# Altium PCB CL-HC-M-V2.2.PcbDoc (part 6 of 18)
Units mil, origin at the board's own origin, x right, y up, seen from the top; angles counter-clockwise.
Board outline 27559.06 x 27559.06 mil, 2 copper layers (TopLayer, BottomLayer); 684 components, 528 nets, 2380 pads, 1851 vias.
Unrouted connection lines stored in the file: 1268.
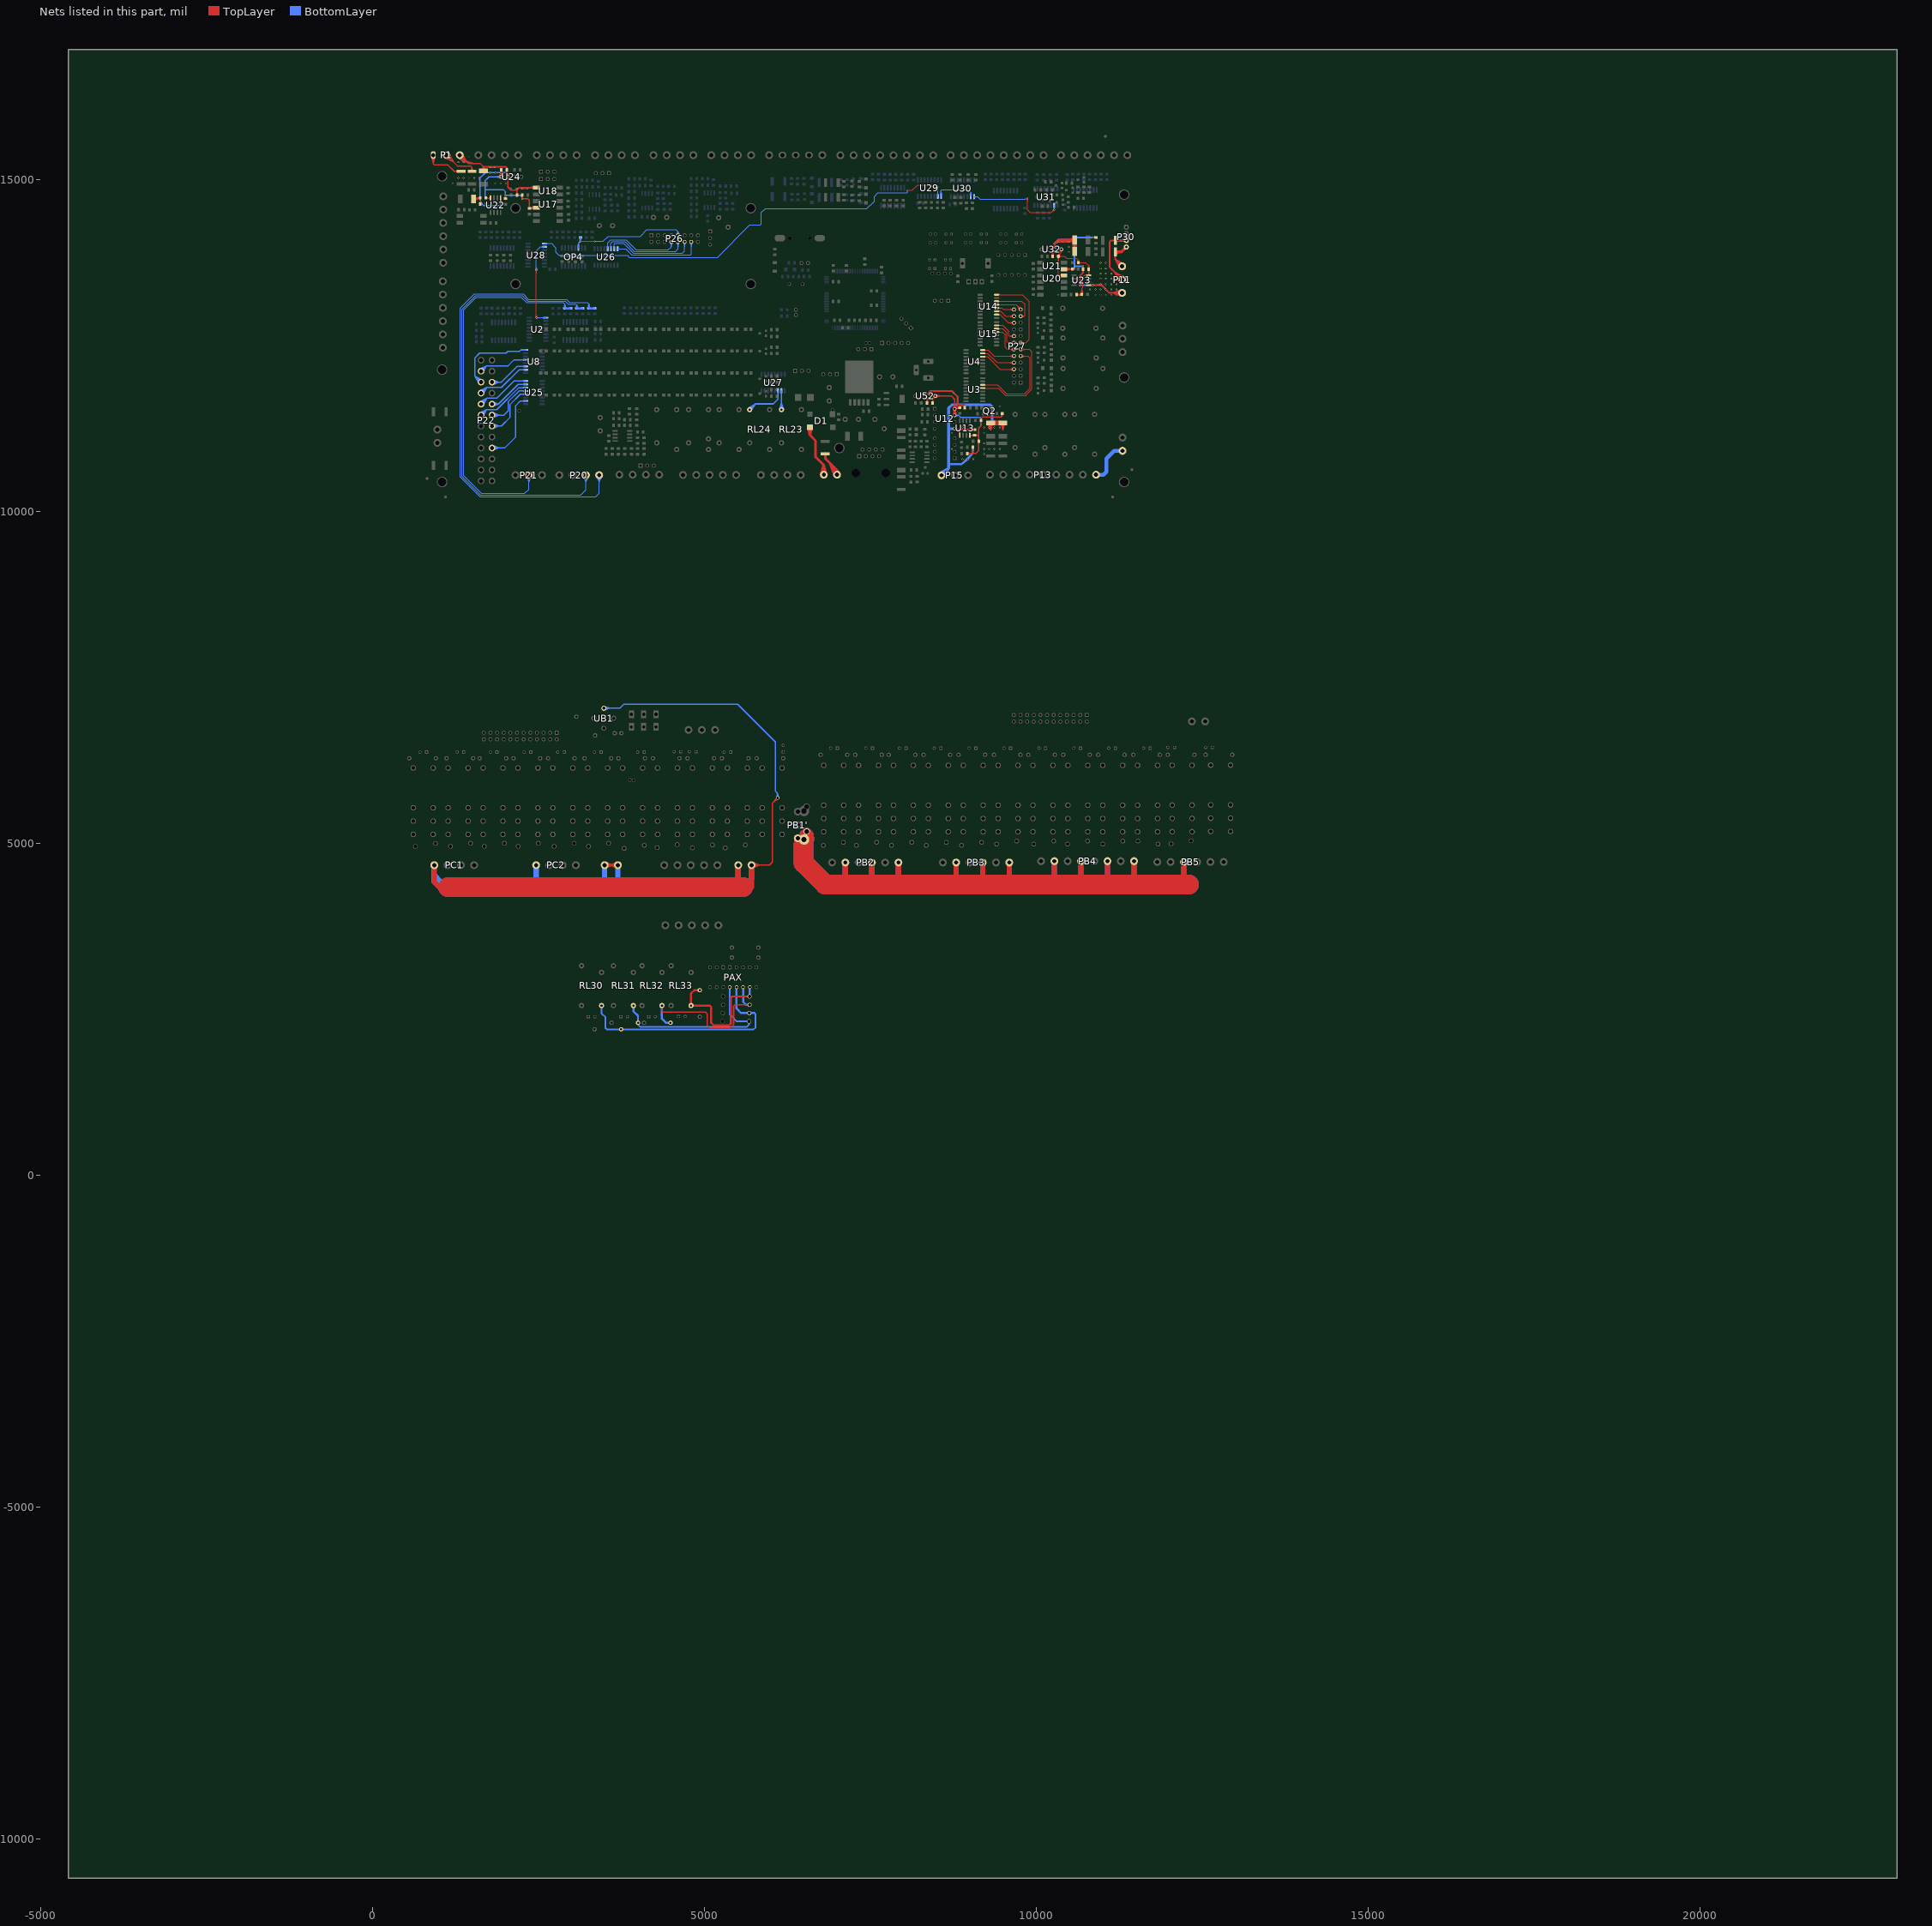
[diagram p6: the nets of this part, all layers, seen from the top]

## Via types
v1: diameter 25, hole 15, TopLayer to BottomLayer, tented both sides, 1813 vias
v2: diameter 20, hole 12, TopLayer to BottomLayer, tented both sides, 24 vias
v3: diameter 25, hole 15, TopLayer to BottomLayer, 13 vias
v4: diameter 40, hole 24, TopLayer to BottomLayer, tented both sides, 1 vias

## Nets (pads, with @x,y where several pads share a name; then routed paths per layer and width w, separated by ;. In a path a pad name is that pad's centre, name@x,y a point inside that pad or via, vN(x,y) a via of type N, cw(c..) or ccw(c..) an arc to the next point about the centre after c; other vN are vias at no path point) (continued)
24V-情报-远启: OP4.6 P26.9 R251.2 | length 2921.9
  TopLayer w10: v1(3132.38,14072.9) v1(3345.23,14072.9) ; v1@3133.04,14065.42 3174.88,14072.9 v1@3133.04,14080.37 ; v1@3344.57,14065.42 3302.73,14072.9 v1@3344.57,14080.37
  BottomLayer w10: OP4.6@3092.83,14001.19 3102.76,14043.28 ; OP4.6@3102.76,13970.04 3102.76,14043.28 ; OP4.6@3102.76,14000.04 3102.76,14043.28 ; OP4.6@3112.69,14001.19 3102.76,14043.28 ; R251.2@3117.54,14126.11 v1@3132.38,14078.36 ; v1@3124.99,14071.58 R251.2@3121.15,14114.51 ; v1@3125.33,14075.47 R251.2@3143.6,14114.51 ; v1@3126.62,14077.7 3102.76,14043.28 ; v1@3137.18,14067.14 3102.76,14043.28 ; v1@3139.42,14075.47 R251.2@3121.15,14114.51 ; v1@3139.76,14071.58 R251.2@3143.6,14114.51 ; R251.2@3147.21,14126.11 v1@3132.38,14078.36 ; 3102.76,14043.28 v1(3132.38,14072.9) ; 3102.76,14043.28 v1(3132.38,14072.9) ; R251.2@3121.15,14114.51 v1(3132.38,14072.9) ; v1(3132.38,14072.9) R251.2@3132.38,14128.36 v1@3132.38,14078.36 ; v1(3132.38,14072.9) R251.2@3143.6,14114.51 ; v1(3132.38,14072.9) R251.2@3132.38,14115.4 ; R251.2@3132.38,14115.4 3124.9,14073.56 R251.2@3132.38,14115.4 ; R251.2@3132.38,14115.4 3139.85,14073.56 R251.2@3132.38,14115.4
  BottomLayer w15: v1(3345.23,14072.9) 3476.78,14072.9 3548.46,14144.57 4033.38,14144.57 4134.35,14245.54 4569.58,14245.54 4601.86,14213.25 ; P26.9@4580.37,14167.93 4601.86,14213.25 ; P26.9@4601.86,14163.1 4601.86,14213.25 ; P26.9@4623.35,14167.93 4601.86,14213.25
24V-排风机1: P27.13 U14.16 | length 1462.9
  TopLayer w15: U14.16@9403.64,13267.5 9790.38,13267.5 9894.76,13163.12 9894.76,12592.56 9846.08,12543.88 P27.13@9766.03,12543.88 ; U14.16@9428.64,13267.5 9488.64,13267.5 ; P27.13@9769.28,12522.1 9840.56,12543.88 P27.13@9769.28,12565.67
24V-排风机2: P27.21 U14.14 | length 838.3
  TopLayer w15: U14.14@9403.64,13167.5 9781.71,13167.5 9828.29,13120.92 9828.29,12955.29 9816.88,12943.88 ; U14.14@9428.64,13167.5 9488.64,13167.5 ; P27.21@9766.03,12943.88 9816.88,12943.88 ; P27.21@9770.8,12922.38 9816.88,12943.88 ; P27.21@9770.8,12965.39 9816.88,12943.88
24V-排风机3: P27.23 U14.13 | length 713.2
  TopLayer w15: U14.13@9403.64,13117.5 9692.42,13117.5 P27.23@9766.03,13043.88 9704.68,13105.23 ; U14.13@9428.64,13117.5 9488.64,13117.5 ; P27.23@9748.6,13030.41 9704.68,13105.23 ; P27.23@9779.5,13061.31 9704.68,13105.23
24V-排风机4: P27.24 U14.12 | length 548.7
  TopLayer w15: U14.12@9403.64,13067.5 9481.6,13067.5 ; U14.12@9428.64,13067.5 9481.6,13067.5 ; P27.24@9662.77,13022.1 9591.5,13043.88 ; P27.24@9662.77,13065.67 9591.5,13043.88 ; 9481.6,13067.5 9505.21,13043.88 P27.24@9666.03,13043.88 9591.5,13043.88
24V-排风机5: P27.22 U14.11 | length 552.7
  TopLayer w15: U14.11@9403.64,13017.5 9464.89,13017.5 ; U14.11@9428.64,13017.5 9464.89,13017.5 ; P27.22@9662.77,12922.1 9591.5,12943.88 ; P27.22@9662.77,12965.67 9591.5,12943.88 ; 9464.89,13017.5 9538.51,12943.88 P27.22@9666.03,12943.88 9591.5,12943.88
24V-排风机6: P27.20 U14.10 | length 563.3
  TopLayer w15: U14.10@9403.64,12967.5 9454.78,12967.5 ; U14.10@9428.64,12967.5 9454.78,12967.5 ; P27.20@9662.77,12822.1 9591.5,12843.88 ; P27.20@9662.77,12865.67 9591.5,12843.88 ; 9454.78,12967.5 9578.39,12843.88 P27.20@9666.03,12843.88 9591.5,12843.88
24V-故障联运输出: RL24.2 U27.11 | length 925.3
  BottomLayer w20: RL24.2@5664.8,11558.27 5764.56,11616.83 RL24.2@5706,11517.07 ; RL24.2@5682.76,11535.04 5769.62,11621.89 6038.93,11621.89 6110.95,11693.92 U27.11@6110.95,11818.83 ; 6110.95,11718.83 U27.11@6110.95,11793.83
24V-散热扇: P27.11 U3.13 | length 1787.2
  TopLayer w15: U3.13@9194.27,11859.99 9431.69,11859.99 9542.73,11748.95 9850.42,11748.95 9850.42,11762.58 9933.1,11845.25 9933.1,12409.27 9898.48,12443.88 P27.11@9766.03,12443.88 ; U3.13@9219.27,11859.99 9279.27,11859.99 ; P27.11@9769.28,12422.1 9840.56,12443.88 P27.11@9769.28,12465.67
24V-星三角: P27.9 U3.14 | length 1622.3
  TopLayer w15: U3.14@9194.27,11909.99 9417.05,11909.99 9552.51,11774.53 9827.02,11774.53 9908.1,11855.61 9908.1,12308.65 9872.86,12343.88 P27.9@9766.03,12343.88 ; U3.14@9219.27,11909.99 9279.27,11909.99 ; P27.9@9769.28,12322.1 9840.56,12343.88 P27.9@9769.28,12365.67
24V-机组值机灯: P22.7 U8.10 | length 1487.8
  BottomLayer w20: P22.7@1612.04,11816.66 1721.46,11870.28 ; P22.7@1622.37,11799.37 1721.46,11870.28 ; P22.7@1650.56,11771.19 1721.46,11870.28 ; P22.7@1667.85,11760.86 1721.46,11870.28 ; U8.10@2282.38,12136.08 2208.93,12136.08 ; U8.10@2294.67,12136.08 2208.93,12136.08 ; 1721.46,11870.28 P22.7@1635.3,11784.12 1721.46,11870.28 ; 1721.46,11870.28 1943.12,11870.28 2208.93,12136.08
24V-机组故障灯: P22.5 U8.16 | length 1907.3
  BottomLayer w20: P22.5@1602.97,11925.92 1544.17,12040.61 ; P22.5@1620.11,11936.47 1544.17,12040.61 ; P22.5@1648.31,11964.67 1544.17,12040.61 ; P22.5@1658.86,11981.8 1544.17,12040.61 ; U8.16@2282.38,12436.08 2237.38,12436.08 ; U8.16@2307.38,12436.08 2237.38,12436.08 ; 1544.17,12040.61 P22.5@1635.3,11949.47 1544.17,12040.61 ; 1544.17,12040.61 1544.17,12317.03 1613.29,12386.15 2012.93,12386.15 2040.86,12414.08 2215.38,12414.08 2237.38,12436.08
24V-机组运行灯: P22.9 U25.16 | length 1517.1
  BottomLayer w20: P22.9@1611.9,11651.21 1723.83,11707.29 ; P22.9@1622.34,11633.99 1723.83,11707.29 ; P22.9@1650.53,11605.8 1723.83,11707.29 ; P22.9@1667.74,11595.36 1723.83,11707.29 ; 2207.38,11966.61 U25.16@2282.38,11966.61 ; U25.16@2307.38,11966.61 2131.89,11966.61 1872.57,11707.29 1723.83,11707.29 ; 1723.83,11707.29 P22.9@1635.3,11618.77 1723.83,11707.29
24V-杀菌灯: P27.16 U15.15 | length 644.8
  TopLayer w15: U15.15@9403.64,12804.54 9497.06,12804.54 9583.46,12718.14 9583.46,12653.74 9593.31,12643.88 ; U15.15@9428.64,12804.54 9488.64,12804.54 ; P27.16@9662.69,12622.11 9593.31,12643.88 ; P27.16@9662.69,12665.66 9593.31,12643.88 ; 9593.31,12643.88 P27.16@9666.03,12643.88 9593.31,12643.88
24V-消防报警: P22.14 U25.12 | length 1425.7
  BottomLayer w20: P22.14@1802.48,11268.14 1910.66,11288.06 ; P22.14@1802.48,11307.97 1910.66,11288.06 ; P22.14@1807.93,11248.72 1910.66,11288.06 ; P22.14@1807.93,11327.39 1910.66,11288.06 ; U25.12@2282.38,11766.61 2225.85,11766.61 ; U25.12@2307.38,11766.61 2225.85,11766.61 ; 1910.66,11288.06 P22.14@1800.66,11288.06 1942.3,11288.06 2074.07,11419.82 2074.07,11614.82 2225.85,11766.61
24V-电柜扇: P27.12 U15.13 | length 688.9
  TopLayer w15: U15.13@9403.64,12704.54 9489.99,12704.54 9532.02,12662.51 9532.02,12475.6 9563.73,12443.88 P27.12@9666.03,12443.88 ; U15.13@9428.64,12704.54 9488.64,12704.54 ; P27.12@9662.77,12422.1 9591.5,12443.88 P27.12@9662.77,12465.67
24V-电热高温报警灯: P22.11 U25.14 | length 1483.5
  BottomLayer w20: P22.11@1612.47,11486.25 1715.25,11533.36 ; P22.11@1622.47,11468.75 1715.25,11533.36 ; P22.11@1650.64,11440.58 1715.25,11533.36 ; P22.11@1668.14,11430.58 1715.25,11533.36 ; 2207.38,11866.61 U25.14@2282.38,11866.61 ; U25.14@2307.38,11866.61 2204.66,11866.61 1871.41,11533.36 1715.25,11533.36 ; 1715.25,11533.36 P22.11@1635.3,11453.41 1715.25,11533.36
24V-电预热高温报警灯: P22.10 U25.15 | length 1181.5
  BottomLayer w20: P22.10@1802.76,11598.88 1895.95,11618.77 ; P22.10@1802.76,11638.66 1895.95,11618.77 ; P22.10@1809.05,11579.66 1895.95,11618.77 ; P22.10@1809.05,11657.87 1895.95,11618.77 ; 2207.38,11916.61 U25.15@2282.38,11916.61 ; U25.15@2307.38,11916.61 2193.79,11916.61 1895.95,11618.77 ; 1895.95,11618.77 P22.10@1800.66,11618.77 1895.95,11618.77
24V-缺风报警灯: P22.3 U8.13 | length 1381
  BottomLayer w20: P22.3@1612.36,12147.59 1716.73,12196.25 ; P22.3@1622.44,12130.14 1716.73,12196.25 ; P22.3@1650.62,12101.97 1716.73,12196.25 ; P22.3@1668.07,12091.89 1716.73,12196.25 ; 2207.38,12286.08 U8.13@2282.38,12286.08 ; U8.13@2294.67,12286.08 2132.69,12286.08 2042.86,12196.25 1716.73,12196.25 ; 1716.73,12196.25 P22.3@1635.3,12114.83 1716.73,12196.25
24V-负压: P27.14 U15.14 | length 634.5
  TopLayer w15: U15.14@9403.64,12754.54 9496.48,12754.54 9558.46,12692.56 9558.46,12563.1 9577.68,12543.88 P27.14@9666.03,12543.88 ; U15.14@9428.64,12754.54 9488.64,12754.54 ; P27.14@9662.77,12522.1 9591.5,12543.88 P27.14@9662.77,12565.67
24V-防冻停机报警: P22.18 U25.10 | length 1681.6
  BottomLayer w20: P22.18@1802.48,10937.43 1910.66,10957.35 ; P22.18@1802.48,10977.26 1910.66,10957.35 ; P22.18@1807.93,10918.01 1910.66,10957.35 ; P22.18@1807.93,10996.68 1910.66,10957.35 ; U25.10@2282.38,11666.61 2227.53,11666.61 ; U25.10@2307.38,11666.61 2227.53,11666.61 ; 1910.66,10957.35 P22.18@1800.66,10957.35 1989.87,10957.35 2157.72,11125.2 2157.72,11596.8 2227.53,11666.61
24V-防冻报警灯: P22.12 U25.13 | length 1362
  BottomLayer w20: P22.12@1802.48,11433.49 1910.66,11453.41 ; P22.12@1802.48,11473.33 1910.66,11453.41 ; P22.12@1807.93,11414.08 1910.66,11453.41 ; P22.12@1807.93,11492.74 1910.66,11453.41 ; U25.13@2282.38,11816.61 2208.05,11816.61 ; U25.13@2307.38,11816.61 2208.05,11816.61 ; 1910.66,11453.41 P22.12@1800.66,11453.41 1982.37,11453.41 2044.07,11515.1 2044.07,11652.63 2208.05,11816.61
24V-面板-值机: D21.A P26.10 PAX.8 R217.2 RL31.2 U26.14 | length 4295.7
  BottomLayer w15: U26.14@3592.74,13960.04 3592.74,14042.92 ; U26.14@3592.74,13985.04 3592.74,14042.92 ; P26.10@4580.08,14059.84 4601.86,13988.57 P26.10@4623.65,14059.84 ; P26.10@4601.86,14063.1 4601.86,13957.15 4564.38,13919.66 3946.51,13919.66 3800.44,14065.73 3615.56,14065.73 3592.74,14042.92
  BottomLayer w25: R217.2@4000.73,2297.59 4000.73,2267.59 4030.73,2237.59 5642.68,2237.59 5672.98,2267.9 D21.A@5672.98,2317.9 5490.43,2317.9 5384.49,2423.84 PAX.8@5384.49,2832.67
  BottomLayer w30: RL31.2@3930.73,2555.46 3930.73,2471.48 4000.73,2401.48 R217.2@4000.73,2297.59
24V-面板-故障: D19.A P26.14 PAX.14 R215.2 RL33.2 U26.16 | length 3510.1
  TopLayer w30: R215.2@4930.73,2787.59 4849.12,2787.59 4799.12,2737.59 RL33.2@4799.12,2555.46 5082.87,2555.46 5100.73,2537.59 5100.73,2297.59 5140.73,2257.59 5246.32,2257.59 5247.51,2256.4 5369.24,2256.4 5400.73,2287.9 5400.73,2673.58 5420.73,2693.58 D19.A@5681.18,2693.58
  BottomLayer w15: U26.16@3692.74,13960.04 3817.95,13960.04 3908.3,13869.68 4789.28,13869.68 4801.86,13882.27 P26.14@4801.86,14063.1 ; P26.14@4780.08,14059.84 4801.86,13988.57 P26.14@4823.65,14059.84
  BottomLayer w30: D19.A@5681.18,2693.58 5684.49,2696.88 PAX.14@5684.49,2832.67
24V-面板-滤网: D22.A P26.12 PAX.12 R216.2 RL32.2 U26.15 | length 4146.4
  TopLayer w20: RL32.2@4360.41,2555.46 4360.41,2467.92 4370.73,2457.59 5016.27,2457.59 5040.73,2433.12 5040.73,2261.02 5085.35,2216.4 5385.81,2216.4 5440.73,2271.33 5440.73,2547.59 5459.91,2566.76 D22.A@5681.18,2566.76
  BottomLayer w15: U26.15@3642.74,13960.04 3642.74,14026.02 ; U26.15@3642.74,13985.04 3642.74,14026.02 ; 3884.63,13938.36 3880.98,13942 ; P26.12@4680.08,14059.84 4701.86,13988.57 P26.12@4723.65,14059.84 ; P26.12@4701.86,14063.1 4701.86,13926.58 4667.97,13892.68 3930.3,13892.68 3880.98,13942 ; 3642.74,14026.02 3657.45,14040.73 3782.26,14040.73 3880.98,13942
  BottomLayer w30: RL32.2@4360.41,2555.46 4360.41,2357.92 4420.73,2297.59 R216.2@4490.73,2297.59 ; PAX.12@5584.49,2832.67 5584.49,2613.84 5631.56,2566.76 D22.A@5681.18,2566.76
24V-面板-运行: D20.A P26.8 PAX.10 R218.2 RL30.2 U26.13 | length 4912.6
  BottomLayer w15: U26.13@3542.74,13960.04 3542.74,14045.05 3587.99,14090.3 3823.31,14090.3 3970.94,13942.66 4458.44,13942.66 4501.86,13986.08 P26.8@4501.86,14063.1 ; U26.13@3542.74,13985.04 3542.74,14045.04 ; P26.8@4480.08,14059.84 4501.86,13988.57 P26.8@4523.65,14059.84
  BottomLayer w25: RL30.2@3450,2555.46 3450,2438.32 3510.73,2377.59 3510.73,2297.59 3510.73,2217.59 3530.73,2197.59 5740.73,2197.59 5770.73,2227.59 5770.73,2427.59 5755.2,2443.12
  BottomLayer w30: PAX.10@5484.49,2832.67 5484.49,2513.84 5555.2,2443.12 D20.A@5677.22,2443.12 5755.2,2443.12
24V-预热1: P27.10 U4.16 | length 715.9
  TopLayer w15: U4.16@9194.27,12433.43 9277.31,12433.43 ; U4.16@9219.27,12433.43 9277.31,12433.43 ; P27.10@9662.77,12322.1 9591.5,12343.88 P27.10@9662.77,12365.67 ; P27.10@9666.03,12343.88 9366.85,12343.88 9277.31,12433.43
24V-预热2: P27.8 U4.15 | length 804.9
  TopLayer w15: U4.15@9194.27,12383.43 9271.02,12383.43 ; U4.15@9219.27,12383.43 9271.02,12383.43 ; P27.8@9662.77,12222.1 9591.5,12243.88 ; P27.8@9662.77,12265.67 9591.5,12243.88 ; 9271.02,12383.43 9410.56,12243.88 P27.8@9666.03,12243.88 9591.5,12243.88
24V-预热3: P27.6 U4.14 | length 822.3
  TopLayer w15: U4.14@9194.27,12333.43 9267.73,12333.43 ; U4.14@9219.27,12333.43 9267.73,12333.43 ; P27.6@9662.77,12122.1 9591.5,12143.88 ; P27.6@9662.77,12165.67 9591.5,12143.88 ; 9267.73,12333.43 9457.27,12143.88 P27.6@9666.03,12143.88 9591.5,12143.88
24V-高效报警灯: P22.6 U8.11 | length 1217
  BottomLayer w20: P22.6@1802.48,11929.56 1910.66,11949.47 ; P22.6@1802.48,11969.39 1910.66,11949.47 ; P22.6@1807.93,11910.14 1910.66,11949.47 ; P22.6@1807.93,11988.81 1910.66,11949.47 ; 2207.38,12186.08 U8.11@2282.38,12186.08 ; U8.11@2294.67,12186.08 2176.83,12186.08 1940.22,11949.47 P22.6@1800.66,11949.47 1910.66,11949.47
24V-高温联动输出: RL23.2 U27.10 | length 657.8
  BottomLayer w20: RL23.2@6133.64,11538.85 6160.95,11634.44 ; 6160.95,11718.83 U27.10@6160.95,11793.83 ; U27.10@6160.95,11818.83 6160.95,11536.85 RL23.2@6162.76,11535.04 6160.95,11634.44 ; RL23.2@6191.72,11539.9 6160.95,11634.44
24VIN+: F7.1 P16.2 | length 1411.4
  TopLayer w40: P16.2@6964.97,10536.34 6891.52,10728.74 ; P16.2@7031.07,10577.28 6891.52,10728.74 ; 6822.38,10797.89 6999.97,10620.29 ; 6822.38,10797.89 F7.1@6822.38,10869.17 6822.38,10797.89 ; 6891.52,10728.74 P16.2@6999.97,10553.66 ; P16.2@6999.97,10553.66 6999.97,10620.29 ; P16.2@6999.97,10553.66 6999.97,10620.29 ; 6999.97,10620.29 6962.63,10565.11 6999.97,10620.29 ; 6999.97,10620.29 7037.31,10565.11 6999.97,10620.29
24VIN-: D1.2 P16.1 | length 1328.9
  TopLayer w40: D1.2@6566.94,11267.63 6590.13,11152 ; D1.2@6590.13,11269.93 6590.13,11152 ; D1.2@6613.32,11267.63 6590.13,11152 ; P16.1@6761.27,10558.92 6799.97,10698.57 ; P16.1@6799.97,10553.66 6799.97,10698.57 ; P16.1@6838.67,10558.92 6799.97,10698.57 ; 6590.13,11152 6675.27,11066.86 6675.27,10823.27 6799.97,10698.57
165S_DO1: U2.9 U28.10 | length 1972
  TopLayer w10: v1@2461.22,12921.23 2468.69,12963.07 v1@2476.16,12921.23 ; v1@2461.22,13637.7 2468.69,13595.86 ; v1(2468.69,12920.57) v1(2468.69,13638.36) 2468.69,13595.86 ; v1@2476.16,13637.7 2468.69,13595.86
  BottomLayer w10: v1@2461.22,13639.02 2468.69,13680.86 v1@2476.16,13639.02 ; v1(2468.69,13638.36) 2468.69,13926.86 2530.19,13988.36 ; v1@2469.34,12913.1 2511.19,12920.5 ; v1@2469.36,12928.04 2511.19,12920.5 ; U28.10@2566.36,13978.45 2530.19,13988.36 ; U28.10@2566.36,13998.27 2530.19,13988.36 ; U28.10@2567.69,13988.36 2530.19,13988.36 ; U2.9@2586.26,12910.56 2542.38,12920.5 ; U2.9@2586.26,12930.44 2542.38,12920.5 ; U2.9@2587.38,12920.5 2542.38,12920.5 ; U28.10@2592.69,13988.36 2530.19,13988.36 ; U2.9@2612.38,12920.5 2468.76,12920.5 v1(2468.69,12920.57) 2511.19,12920.5
165S_DO2: U28.9 U29.10 | length 7097
  TopLayer w15: v1(8060.74,14839.06) 8131.38,14839.06 8214.09,14921.77 8422.87,14921.77 8454.46,14890.19 v1(8517.38,14890.19)
  BottomLayer w10: U28.9@2592.69,14038.36 2697.73,14038.36 2766.11,13969.98 2766.11,13902.79 2808.86,13860.04 3840.97,13860.04 3869.82,13831.18 5198.4,13831.18 5684.38,14317.16 5847.19,14317.16 5860.33,14330.3 5860.33,14505.92 5919.03,14564.62 7449.07,14564.62 7560.03,14675.57 7560.03,14745.59 7617.46,14803.03 8053.03,14803.03 8060.74,14810.73 ; U28.9@2617.69,14038.36 2662.69,14038.36 ; U28.9@2618.8,14028.42 2662.69,14038.36 ; U28.9@2618.8,14048.3 2662.69,14038.36 ; v1@8053.3,14838.07 8060.74,14810.73 ; v1@8068.17,14838.07 8060.74,14810.73 ; 8060.74,14810.73 v1(8060.74,14839.06) 8060.74,14810.73
  BottomLayer w15: U29.10@8517.38,14748.36 v1(8517.38,14890.19) ; U29.10@8517.38,14773.36 8517.38,14833.36
165S_DO3: U29.9 U30.10 | length 873.6
  BottomLayer w10: U29.9@8557.44,14774.47 8567.38,14818.36 ; U29.9@8567.38,14748.36 8567.38,14838.38 8577.81,14848.81 8973.86,14848.81 9014.38,14808.29 ; U29.9@8567.38,14773.36 8567.38,14818.36 ; U29.9@8577.31,14774.47 8567.38,14818.36 ; U30.10@9004.47,14770.7 9014.38,14808.29 ; U30.10@9014.38,14744.42 9014.38,14808.29 ; U30.10@9014.38,14769.42 9014.38,14808.29 ; U30.10@9024.3,14770.7 9014.38,14808.29
165S_DO4: U30.9 U31.10 | length 2089.7
  TopLayer w10: v1@9860.7,14715.47 9868.18,14673.64 v1@9875.65,14715.47 ; v1(9868.18,14716.14) 9868.18,14544.6 9906.38,14506.39 10229.41,14506.39 v1(10271.03,14548.01) 10237.31,14514.29 ; v1@10265.32,14552.88 10237.31,14514.29 ; v1@10275.9,14542.3 10237.31,14514.29
  BottomLayer w10: U30.9@9065.49,14734.48 9109.38,14744.42 ; U30.9@9065.49,14754.35 9109.38,14744.42 ; v1@9867.22,14708.7 9838.81,14716.14 ; v1@9867.22,14723.57 9838.81,14716.14 ; 9109.38,14744.42 U30.9@9064.38,14744.42 9112.88,14744.42 9151.55,14705.74 9828.42,14705.74 9838.81,14716.14 ; 9838.81,14716.14 v1(9868.18,14716.14) 9838.81,14716.14
  BottomLayer w16: U31.10@10271.61,14608.51 v1(10271.03,14548.01) ; U31.10@10271.61,14613.63 v1@10271.61,14548.59 ; v1(10271.03,14548.01) v1@10271.61,14548.59 ; v1(10271.03,14548.01) 10271.61,14588.63 v1@10271.61,14548.59
220V_N: P13.9 P32.1 pad.0@6501.78,5058.41 pad.2@6104.1,5685.79 PB1'.1 PB1.1 PB2.2 PB2.4 PB2.6 PB3.2 PB3.4 PB3.6 PB4.2 PB4.4 PB4.6 PB4.8 PB5.3 PC1.1 PC2.1 PC3.1 PC3.2 PC5.1 PC5.2 UB1.1 | length 38516.2
  TopLayer w20: PC3.2@3497.55,4672.36 PC3.1@3697.55,4672.36 ; PC3.2@3501.09,4643.52 3616.6,4672.36 ; PC3.2@3501.09,4701.2 3616.6,4672.36 ; PC3.2@3507.65,4624.36 3616.6,4672.36 ; PC3.2@3507.65,4720.37 3616.6,4672.36 ; PC3.1@3687.44,4624.36 3578.49,4672.36 ; PC3.1@3687.44,4720.37 3578.49,4672.36 ; PC3.1@3694,4643.52 3578.49,4672.36 ; PC3.1@3694,4701.2 3578.49,4672.36 ; PC5.1@5709.75,4672.36 5980.28,4672.36 6025.78,4717.87 6025.78,5607.47 pad.2@6104.1,5685.79 6036.67,5618.36 ; PC5.1@5713.3,4643.52 5828.81,4672.36 ; PC5.1@5713.3,4701.2 5828.81,4672.36 ; PC5.1@5719.86,4624.36 5828.81,4672.36 ; PC5.1@5719.86,4720.37 5828.81,4672.36 ; pad.2@6092.69,5695.53 6036.67,5618.36 ; pad.2@6113.84,5674.38 6036.67,5618.36 ; PB1'.1@6391.84,5077.65 6395.21,5077.65 6495.21,4977.65
  TopLayer w80: PC1.1@930.03,4671.3 930.03,4420.01 1010.07,4339.96 1139.38,4339.96 ; 5509.75,4350.84 PC5.2@5509.75,4672.36 ; 5709.75,4339.62 PC5.1@5709.75,4672.36 ; 7124.33,4486.03 PB2.2@7124.33,4711.71 ; 7524.33,4532.78 PB2.4@7524.33,4711.71 ; 7924.33,4473.53 PB2.6@7924.33,4711.71 ; 8794.33,4486.03 PB3.2@8794.33,4711.71 ; 9194.33,4532.78 PB3.4@9194.33,4711.71 ; 9594.33,4473.53 PB3.6@9594.33,4711.71 ; 10274.33,4506.03 PB4.2@10274.33,4731.71 ; 10674.33,4506.03 PB4.4@10674.33,4731.71 ; 11074.33,4493.53 PB4.6@11074.33,4731.71 ; 11474.33,4493.53 PB4.8@11474.33,4731.71 ; 12224.28,4482.92 PB5.3@12224.28,4721.1
  TopLayer w120: 6495.21,4977.65 6495.21,5133.4 6541.44,5179.63 6587.68,5133.4 ; pad.0@6508.1,5071.42 6554.34,5117.65 ; pad.0@6550.19,5025.18 6596.43,5071.42
  TopLayer w300: 1139.38,4339.96 1139.71,4339.62 5584.27,4339.62 ; 6495.21,4977.65 6495.21,4706.24 6821.28,4380.17 12301.06,4380.17
  BottomLayer w20: UB1.1@3484.9,7035.37 3727.09,7035.37 3787.08,7095.36 5502.67,7095.36 6069.64,6528.4 6069.64,5787.58 6104.09,5753.13 ; UB1.1@3488.78,7008.14 3582.4,7035.37 UB1.1@3488.78,7062.59 ; pad.2@6089.19,5687.46 6104.09,5753.13 ; pad.2@6119.01,5687.46 6104.09,5753.13 ; 6104.09,5753.13 pad.2@6104.1,5685.79 6104.09,5753.13
  BottomLayer w60: P13.9@10902.22,10553.66 11011.68,10553.66 11056.38,10598.36 11056.38,10798.36 11172.39,10914.37 ; 11172.39,10914.37 P32.1@11300.57,10914.37 11172.39,10914.37
  BottomLayer w80: PC1.1@925.41,4664.62 925.41,4524.62 ; PC1.1@930.03,4671.3 925.41,4524.62 ; 1050.35,4299.68 925.41,4424.62 925.41,4524.62 ; 1100.41,4409.62 1040.41,4409.62 925.41,4524.62 ; PC2.1@2465.03,4671.3 2466.6,4441.42 PC2.1@2466.6,4663.67 ; 3497.55,4449.57 PC3.2@3497.55,4672.36 ; 3697.55,4462.17 PC3.1@3697.55,4672.36 ; 5509.75,4345.91 PC5.2@5509.75,4672.36 ; 5584.27,4339.62 5709.75,4465.1 PC5.1@5709.75,4672.36 ; 7124.33,4486.03 PB2.2@7124.33,4711.71 ; 7524.33,4532.78 PB2.4@7524.33,4711.71 ; 7924.33,4473.53 PB2.6@7924.33,4711.71 ; 8794.33,4486.03 PB3.2@8794.33,4711.71 ; 9194.33,4532.78 PB3.4@9194.33,4711.71 ; 9594.33,4473.53 PB3.6@9594.33,4711.71 ; 10274.33,4506.03 PB4.2@10274.33,4731.71 ; 10674.33,4506.03 PB4.4@10674.33,4731.71 ; 11074.33,4493.53 PB4.6@11074.33,4731.71 ; 11474.33,4493.53 PB4.8@11474.33,4731.71 ; 12224.28,4482.92 PB5.3@12224.28,4721.1